# KiCad board controller_rev5.0_flat.kicad_pcb (continued)
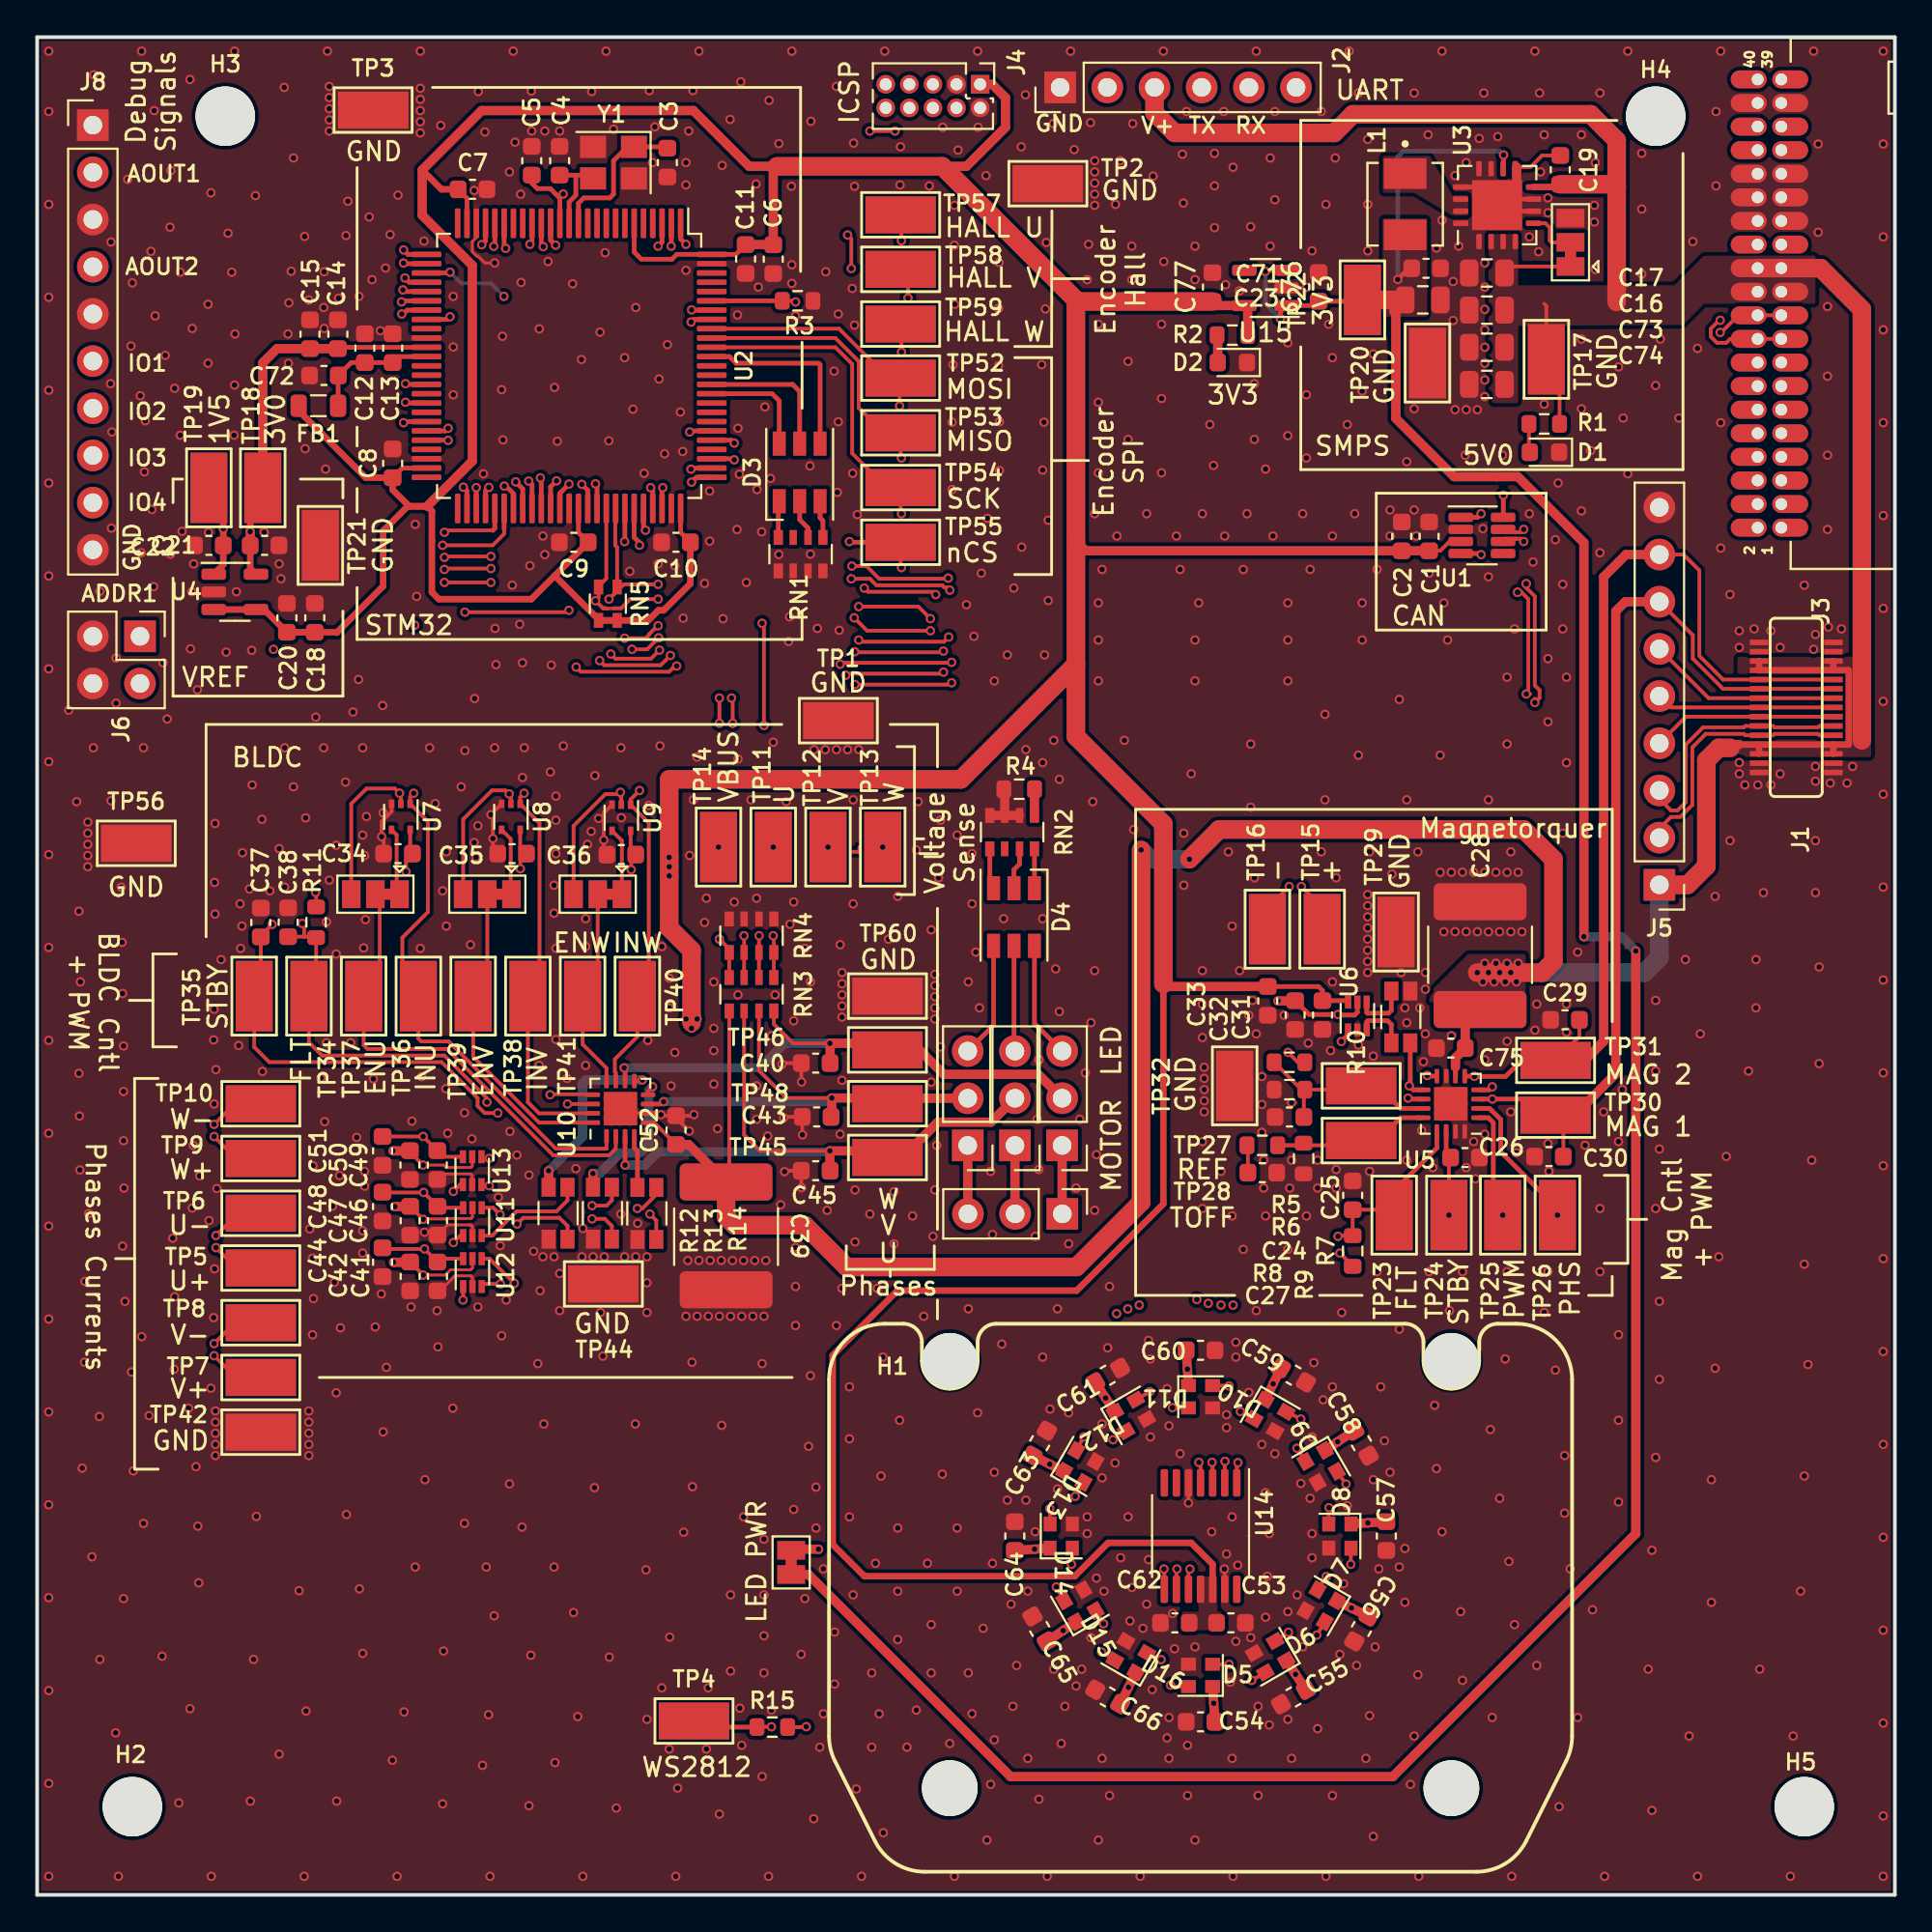
[diagram p0: board, top side]
## Footprints (pads in the part's own frame, mm; a bottom-side part is the same pattern mirrored in y, then rotated) (continued)
SOT-23-8
  rrect 1.325x0.5 smd: 1(-1.137,0.975) 2(-1.137,0.325) 3(-1.137,-0.325) 4(-1.137,-0.975) 5(1.137,-0.975) 6(1.137,-0.325) 7(1.137,0.325) 8(1.137,0.975)
SOT-553
  rect 0.45x0.3 smd: 1(-0.7,0.5) 2(-0.7,0) 3(-0.7,-0.5) 4(0.7,-0.5) 5(0.7,0.5)
SOT-563
  rect 0.7x0.34 smd: 1(-0.75,0.5) 2(-0.75,0) 3(-0.75,-0.5) 4(0.75,-0.5) 5(0.75,0) 6(0.75,0.5)
TestPoint_Keystone_5019_Minature-3DMODEL
  rect 3.8x2 smd: 1(0,0)
TSOT-23-5
  rrect 1.325x0.6 smd: 1(-1.137,0.95) 2(-1.137,0) 3(-1.137,-0.95) 4(1.137,-0.95) 5(1.137,0.95)
TSSOP-14_4.4x5mm_P0.65mm
  rrect 1.475x0.4 smd: 1(-2.862,1.95) 2(-2.862,1.3) 3(-2.862,0.65) 4(-2.862,0) 5(-2.862,-0.65) 6(-2.862,-1.3) 7(-2.862,-1.95) 8(2.862,-1.95) 9(2.862,-1.3) 10(2.862,-0.65) 11(2.862,0) 12(2.862,0.65) 13(2.862,1.3) 14(2.862,1.95)
VQFN-16-1EP_3x3mm_P0.5mm_EP1.8x1.8mm
  rrect 0.73x0.73 smd: (-0.45,0.45) (-0.45,-0.45) (0.45,0.45) (0.45,-0.45)
  rrect 0.775x0.25 smd: 1(-1.488,0.75) 2(-1.488,0.25) 3(-1.488,-0.25) 4(-1.488,-0.75) 9(1.488,-0.75) 10(1.488,-0.25) 11(1.488,0.25) 12(1.488,0.75)
  rrect 0.25x0.775 smd: 5(-0.75,-1.488) 6(-0.25,-1.488) 7(0.25,-1.488) 8(0.75,-1.488) 13(0.75,1.488) 14(0.25,1.488) 15(-0.25,1.488) 16(-0.75,1.488)
  rect 1.8x1.8 smd: 17(0,0)
WSK1206
  rect 1.016x0.762 smd: 1(-1.397,0.508) 2(-1.397,-0.508) 3(1.397,-0.508) 4(1.397,0.508)

## Nets
+1V5: C22.1 C32.1 C42.1 C47.1 C50.1 NT2.1 NT3.1 NT4.1 NT5.1 TP19.1 U4.1 U6.5 U11.5 U12.5 U13.5
+3V0: C14.1 C15.1 C21.1 TP18.1 U2.36 U4.5
+3V3: C1.1 C2.1 C6.1 C7.1 C8.1 C9.1 C10.1 C11.1 C18.1 C20.1 C31.1 C33.1 C34.1 C35.1 C36.1 C41.1 C44.1 C46.1 C48.1 C49.1 C51.1 C53.1 C62.1 C77.1 FB1.1 J4.1 R2.1 RN5.3 RN5.4 U1.3 U2.6 U2.24 U2.49 U2.64 U2.75 U2.100 U4.3 U4.4 U6.6 U7.5 U8.5 U9.5 U11.6 U12.6 U13.6 U14.11 U14.12 U15.5
+5V: C23.1 C71.1 C76.1 JP8.1 L1.2 TP22.1 U3.10 U15.1 U15.3
GND: C1.2 C2.2 C3.2 C4.2 C5.2 C6.2 C7.2 C8.2 C9.2 C10.2 C11.2 C12.2 C13.2 C14.2 C15.2 C16.2 C17.2 C18.2 C20.2 C21.2 C22.2 C23.2 C24.2 C25.2 C26.2 C27.2 C28.2 C29.2 C30.2 C31.2 C32.2 C33.2 C34.2 C35.2 C36.2 C37.2 C38.2 C39.2 C40.2 C41.2 C42.2 C43.2 C44.2 C45.2 C46.2 C47.2 C48.2 C49.2 C50.2 C51.2 C52.2 C53.2 C54.2 C55.2 C56.2 C57.2 C58.2 C59.2 C60.2 C61.2 C62.2 C63.2 C64.2 C65.2 C66.2 C71.2 C72.2 C73.2 C74.2 C75.2 C76.2 C77.2 D1.1 D2.1 D5.3 D6.3 D7.3 D8.3 D9.3 D10.3 D11.3 D12.3 D13.3 D14.3 D15.3 D16.3 J1.P$1 J1.P$2 J1.P$14 J1.P$15 J1.P$16 J1.P$17 J1.P$29 J1.P$30 J2.1 J3.27 J3.28 J3.29 J3.30 J3.31 J3.32 J3.37 J3.38 J4.2 J4.3 J5.9 J6.3 J6.4 J8.1 J8.3 J8.5 J8.10 JP4.3 NT1.1 R3.2 R4.2 R6.1 R9.2 R10.1 R12.1 R13.1 R14.1 RN1.1 RN1.2 RN1.3 RN1.4 RN2.2 RN2.3 RN2.4 RN4.1 RN4.2 RN4.3 RN4.4 TP1.1 TP2.1 TP3.1 TP20.1 TP21.1 TP29.1 TP32.1 TP42.1 TP44.1 TP56.1 TP60.1 U1.2 U2.23 U2.35 U2.48 U2.63 U2.74 U2.99 U3.1 U3.6 U3.7 U3.11 U3.12 U3.13 U3.16 U3.17 U4.2 U5.7 U5.15 U5.16 U5.17 U6.2 U7.3 U8.3 U9.3 U10.6 U10.17 U11.2 U12.2 U13.2 U14.5 U14.13 U15.2 Y1.2 Y1.4
VBUS: C16.1 C17.1 C19.1 C28.1 C39.1 C52.1 C73.1 C74.1 C75.1 J1.P$3 J1.P$4 J1.P$12 J1.P$13 J1.P$18 J1.P$19 J1.P$27 J1.P$28 J2.3 J3.21 J3.22 J3.23 J3.24 J3.25 J3.26 J5.1 JP4.1 R1.1 RN3.5 TP17.1 U3.2 U3.3 U3.4 U3.8 U5.6 U10.5
/ADDR1: J6.1 U2.55
/ADDR2: J6.2 U2.56
/BLDC_EN: R11.1 U2.59
/BLDC_FAULT: C37.1 R11.2 TP34.1 U2.58 U10.13
/BLDC_INHU: TP36.1 U2.69 U7.1 U10.1
/BLDC_INHV: TP38.1 U2.70 U8.1 U10.15
/BLDC_INHW: TP40.1 U2.71 U9.1 U10.11
/BLDC_INLU: JP5.3 U2.52 U7.2
/BLDC_INLV: JP6.3 U2.53 U8.2
/BLDC_INLW: JP7.3 U2.54 U9.2
/BLDC_STBY: C38.1 TP35.1 U2.57 U10.14
/BOOT: J1.P$9 J1.P$22 J5.6 R3.1 U2.95
/CAN+: J1.P$6 J1.P$25 J3.17 J3.18 J5.3 U1.7
/CAN-: J1.P$5 J1.P$26 J3.19 J3.20 J5.2 U1.6
/CAN_RX: U1.4 U2.72
/CAN_SILENT: U1.8 U2.80
/CAN_TX: U1.1 U2.73
/DEBUG_SWCLK: J4.9 U2.77
/DEBUG_SWDIO: J4.10 U2.76
/DEBUG_SWO/TDO: J4.8
/DEBUG_TDI: J4.7
/GPIO1: J8.6 U2.29
/GPIO2: J8.7 U2.30
/GPIO3: J8.8 U2.31
/GPIO4: J8.9 U2.32
/HALL_U: TP57.1 U2.1 U14.10
/HALL_V: TP58.1 U2.2 U14.9
/HALL_W: TP59.1 U2.3 U14.8
/I2C_SCL: J1.P$7 J1.P$24 J5.4 RN5.2 U2.67
/I2C_SDA: J1.P$8 J1.P$23 J5.5 RN5.1 U2.68
/ISENSE_MAG_N: NT2.2 TP16.1 U2.46
/ISENSE_MAG_P: TP15.1 U2.45 U6.1
/ISENSE_U_N: NT3.2 TP6.1 U2.21
/ISENSE_U_P: TP5.1 U2.20 U11.1
/ISENSE_V_N: NT4.2 TP8.1 U2.16
/ISENSE_V_P: TP7.1 U2.15 U12.1
/ISENSE_W_N: NT5.2 TP10.1 U2.40
/ISENSE_W_P: TP9.1 U2.33 U13.1
/LED_B: D3.4 U2.89
/LED_DATA: R15.1 TP4.1 U2.81
/LED_G: D3.5 U2.86
/LED_R: D3.6 U2.85
/MAG_1: C30.1 J1.P$10 J1.P$21 J5.7 TP30.1 U5.3 U5.10
/MAG_2: C29.1 J1.P$11 J1.P$20 J5.8 TP31.1 U5.5 U5.8
/MAG_EN: R7.1 U2.62
/MAG_FAULT: C25.1 R7.2 TP23.1 U2.61 U5.13
/MAG_PHASE: TP26.1 U2.66 U5.2
/MAG_PWM: TP25.1 U2.65 U5.1
/MAG_STBY: C26.1 TP24.1 U2.60 U5.14
/MAG_VREF: R5.2 U2.28
/NRST: C5.1 J4.6 U2.14
/OSCOPE_1: J8.2 U2.26
/OSCOPE_2: J8.4 U2.27
/Reaction Wheel/BLDC_U: C45.1 JP2.2 RN3.6 TP45.1 U10.3
/Reaction Wheel/BLDC_V: C43.1 JP3.2 RN3.7 TP48.1 U10.7
/Reaction Wheel/BLDC_W: C40.1 JP1.2 RN3.8 TP46.1 U10.10
/SPI_MISO: TP53.1 U2.91 U14.3
/SPI_MOSI: TP52.1 U2.92 U14.4
/SPI_nCS: TP55.1 U2.78 U14.1
/SPI_SCK: TP54.1 U2.90 U14.2
/UART_RX: J2.5 U2.94
/UART_TX: J2.4 U2.93
/VSENSE_U: RN3.3 RN4.6 TP11.1 U2.22
/VSENSE_V: RN3.2 RN4.7 TP12.1 U2.17
/VSENSE_VBUS: RN3.4 RN4.5 TP14.1 U2.42
/VSENSE_W: RN3.1 RN4.8 TP13.1 U2.44
Net-(C3-Pad1): C3.1 U2.12 Y1.1
Net-(C4-Pad1): C4.1 U2.13 Y1.3
Net-(C12-Pad1): C12.1 C13.1 C72.1 FB1.2 U2.37
Net-(C19-Pad2): C19.2 NT1.2 U3.9
Net-(C24-Pad1): C24.1 R5.1 R6.2 TP27.1 U5.11
Net-(C27-Pad1): C27.1 R8.2
Net-(C54-Pad1): C54.1 C55.1 C56.1 C57.1 C58.1 C59.1 C60.1 C61.1 C63.1 C64.1 C65.1 C66.1 D5.1 D6.1 D7.1 D8.1 D9.1 D10.1 D11.1 D12.1 D13.1 D14.1 D15.1 D16.1 JP8.2
Net-(D1-Pad2): D1.2 R1.2
Net-(D2-Pad2): D2.2 R2.2
Net-(D3-Pad1): D3.1 RN1.8
Net-(D3-Pad2): D3.2 RN1.6
Net-(D3-Pad3): D3.3 RN1.5
Net-(D4-Pad1): D4.1 RN2.8
Net-(D4-Pad2): D4.2 RN2.7
Net-(D4-Pad3): D4.3 RN2.5
Net-(D4-Pad4): D4.4 JP3.3
Net-(D4-Pad5): D4.5 JP2.3
Net-(D4-Pad6): D4.6 JP1.3
Net-(D5-Pad2): D5.2 D6.4
Net-(D5-Pad4): D5.4 R15.2
Net-(D6-Pad2): D6.2 D7.4
Net-(D7-Pad2): D7.2 D8.4
Net-(D8-Pad2): D8.2 D9.4
Net-(D10-Pad2): D10.2 D11.4
Net-(D10-Pad4): D9.2 D10.4
Net-(D11-Pad2): D11.2 D12.4
Net-(D12-Pad2): D12.2 D13.4
Net-(D13-Pad2): D13.2 D14.4
Net-(D14-Pad2): D14.2 D15.4
Net-(D15-Pad2): D15.2 D16.4
Net-(D16-Pad2): D16.2
Net-(J7-Pad1): J7.1 JP1.1
Net-(J7-Pad2): J7.2 JP2.1
Net-(J7-Pad3): J7.3 JP3.1
Net-(JP4-Pad2): JP4.2 U3.5
Net-(JP5-Pad1): JP5.1 U7.4
Net-(JP5-Pad2): JP5.2 TP37.1 U10.2
Net-(JP6-Pad1): JP6.1 U8.4
Net-(JP6-Pad2): JP6.2 TP39.1 U10.16
Net-(JP7-Pad1): JP7.1 U9.4
Net-(JP7-Pad2): JP7.2 TP41.1 U10.12
Net-(L1-Pad1): L1.1 U3.14 U3.15
Net-(R4-Pad1): R4.1 RN2.1
Net-(R8-Pad1): R8.1 R9.1 TP28.1 U5.12
Net-(R10-Pad2): R10.2 U6.4
Net-(R10-Pad3): R10.3 U6.3
Net-(R10-Pad4): R10.4 U5.4 U5.9
Net-(R12-Pad2): R12.2 U11.4
Net-(R12-Pad3): R12.3 U11.3
Net-(R12-Pad4): R12.4 U10.9
Net-(R13-Pad2): R13.2 U12.4
Net-(R13-Pad3): R13.3 U12.3
Net-(R13-Pad4): R13.4 U10.8
Net-(R14-Pad2): R14.2 U13.4
Net-(R14-Pad3): R14.3 U13.3
Net-(R14-Pad4): R14.4 U10.4

Pads without a net: J2 2 6; J3 1 2 3 4 5 6 7 8 9 10 11 12 13 14 15 16 33 34 35 36 39 40; J4 4 5; RN1 7; RN2 6; U1 5; U2 4 5 7 8 9 10 11 18 19 25 34 38 39 41 43 47 50 51 79 82 83 84 87 88 96 97 98; U14 6 7 14; U15 4

## Via types
v1: diameter 0.5, hole 0.3, Top to Bottom, 1552 vias

## Routing (per net, layer and track width the routed paths; a pad name or vN(x,y) marks a point on that pad's centre or on a via; arc(x,y) is an arc through that point)
+1V5: length 183
  Top w0.152: v1(20.78,33.36) 21.97,33.36 22.25,33.65 23.34,33.65 23.43,33.74 U12.5 ; U11.5 23.43,36.48 23.36,36.41 22.02,36.41 22,36.38 20.8,36.38 v1(20.78,36.36) ; v1(20.78,39.29) 21.89,39.29 22.02,39.15 23.34,39.15 23.42,39.23 U13.5
  Top w0.2: v1(20.78,39.29) 20.77,39.29 20.01,40.05 ; C47.1 v1(20.78,36.36) ; C42.1 v1(20.78,33.36)
  Top w0.25: U6.5 71.07,47.51 70.92,47.36 70.06,47.36 v1(70.03,47.39) 68.46,47.39 C32.1
  Top w0.35: TP19.1 10.02,74.97 v1(10.02,73.54) C22.1 10.02,71.6 U4.1
  In1.Cu w0.2: v1(20.33,68.35) 19.03,67.05 v1(12.73,67.05)
  In2.Cu w0.2: v1(20.33,68.35) 23.08,65.59 37.78,65.59 38.73,64.65 66.53,64.65 68.43,62.75 68.43,55.05 69.03,54.45 69.03,47.95 69.58,47.39 v1(70.03,47.39)
  In2.Cu w0.35: v1(20.78,36.36) 22.11,36.36 24.03,34.45 ; 24.03,34.45 24.33,34.15 24.33,31.15 23.73,30.55 19.43,30.55 16.93,28.05 8.73,28.05 5.43,31.35 5.43,59.75 v1(12.73,67.05) 12.73,69.85 10.02,72.55 v1(10.02,73.54) ; 24.03,34.45 21.86,34.45 v1(20.78,33.36) ; v1(20.78,39.29) 21.99,39.29 24.03,37.25 24.03,34.55
+3V0: length 22.5
  Top w0.25: C15.1 14.76,83.31 U2.36
  Top w0.35: U4.5 11.47,71.4 C21.1 ; v1(11.47,73.38) 11.47,75.07 TP18.1
  Top w0.5: TP18.1 12.14,82.47 12.91,83.23 C15.1 C14.1 ; C21.1 v1(11.47,73.38)
+3V3: length 401.8
  Top w0.2: C51.1 v1(20.78,40.82) C49.1 21.87,39.73 U13.6 ; v1(26.01,55.24) 26.01,55.72 C35.1 ; C48.1 18.61,37.81 v1(20.81,37.81) C46.1 21.63,36.99 U11.6 ; U12.6 21.73,34.24 C41.1 v1(20.85,34.77) 18.65,34.77 C44.1 ; C2.1 75.53,72.35 76.03,72.85 U1.3 ; v1(31.98,55.19) 31.98,55.76 C36.1 31.95,56.27 U9.5 ; C35.1 26.43,56.05 ; C35.1 26,56.39 U8.5 ; v1(19.86,55.08) 19.86,55.7 C34.1 20.08,56.17 U7.5
  Top w0.25: U2.24 23.14,91.33 C7.1 ; U6.6 70.49,48.13 C31.1 69.19,48.68 68.97,48.9 C33.1 ; U2.64 29.14,73.33 C9.1 ; C8.1 19.66,76.81 U2.49 ; U2.75 34.64,73.33 C10.1 ; U2.6 32.14,88.43 32.53,88.05 34.17,88.05 34.43,88.31 U2.100 37.61,88.31 C11.1
  Top w0.35: 60.63,49.03 60.63,37.19 55.96,32.52 46.3,32.52 42.82,29.04 42.82,18.86 44.53,17.15 55.85,17.15 57.65,18.95 62.13,18.95 63.28,17.8 U14.12 ; C9.1 27.86,71.01 ; 27.86,71.01 26.6,69.75 21.63,69.75 21.25,70.12 21.25,72.89 21.25,72.89 21.25,74.49 20.99,74.75 ; 27.86,71.01 30.27,68.6 RN5.4 ; RN5.4 32.9,68.6 33.44,69.15 33.73,69.15 35.16,70.58 C10.1 ; RN5.4 RN5.3 ; C7.1 21.76,91.81 20.73,92.85 ; 20.99,74.75 19.95,74.75 18.63,73.42 18.63,70.45 16.13,67.95 16.11,67.97 C20.1 ; 20.99,74.75 20.03,74.75 19.14,75.63 C8.1 17.69,76.28 14.08,79.9 FB1.1 ; C20.1 12.22,69.19 U4.4 U4.3 ; C20.1 C18.1
  Top w0.5: J4.1 51.41,97.46 52.13,96.75 52.13,95.15 50.03,93.05 48.73,93.05 ; C1.1 56.43,72.35 55.92,72.87 ; 20.99,74.75 23.43,77.18 23.43,87.72 20.73,90.42 20.73,92.85 23.93,96.05 35.33,96.05 38.33,93.05 39.83,93.05 39.62,92.85 C6.1 39.61,88.83 C11.1 ; R2.1 65.16,85.37 U15.5 63.49,85.55 C77.1 ; 60.63,49.03 60.76,48.9 C33.1
  Top w1: 55.92,66.24 55.92,85.86 ; 55.92,66.24 49.73,60.05 34.03,60.05 v1(34.03,55.85) v1(34.03,55.35) v1(34.03,54.85) 34.03,52.05 35.23,50.85 35.23,46.95 ; 55.92,66.24 55.92,62.36 60.63,57.65 60.63,49.03 ; 55.92,85.86 48.73,93.05 39.83,93.05 ; 55.92,85.86 56,85.77 C77.1
  In1.Cu w0.35: 35.13,47.15 35.23,47.05 v1(35.23,46.65) ; 35.13,47.15 v1(35.53,47.15) 35.53,46.95 v1(35.23,46.65) ; 35.13,47.15 v1(34.93,47.15) 34.93,46.95 v1(35.23,46.65) ; v1(35.23,46.65) 34.43,46.65 33.13,45.35 25.23,45.35 20.78,40.9 v1(20.78,40.82) 20.2,40.25 20.2,38.41 v1(20.81,37.81) 20.2,37.21 20.2,35.41 v1(20.85,34.77)
  In1.Cu w0.5: 32.49,55.19 33.36,55.19 v1(34.03,55.85) v1(34.03,54.85) 33.69,55.19 32.69,55.19 ; 32.49,55.19 32.69,55.19 ; 32.49,55.19 v1(31.98,55.19) 31.93,55.24 v1(26.01,55.24) 25.86,55.08 v1(19.86,55.08) ; 32.69,55.19 33.86,55.19 v1(34.03,55.35)
+5V: length 157.7
  Top w0.2: 73.21,88.92 L1.2
  Top w0.25: v1(73.24,86.96) 73.84,87.56 C71.1 ; v1(78.94,93.66) 78.94,92.94 U3.10 ; v1(66.93,84.85) 66.93,85.22 U15.1 68.75,85.55 C76.1 71.27,85.78 TP22.1 ; v1(66.12,87.39) 66.18,87.45 U15.3
  Top w0.5: JP8.1 41.52,17.24 52.4,6.36 72.97,6.36 86.06,19.44 v1(86.06,50.81) ; 73.03,85.24 C23.1 73.14,85.36 73.14,79.48 76.28,76.34 79.71,76.34 83.26,72.78 v1(83.26,51.57)
  Top w1: C23.1 TP22.1
  Bottom w0.25: v1(66.93,84.85) 66.12,85.66 v1(66.12,87.39) ; v1(73.24,86.96) 73.24,93.56 73.54,93.86 78.74,93.86 v1(78.94,93.66)
  Bottom w0.5: v1(86.06,50.81) 85.29,51.57 v1(83.26,51.57)
GND: length 45.5
  Top w0.152: v1(24.63,87.85) 24.1,87.85 23.72,88.22 23.65,88.22 23.43,88.45 23.43,89 23.64,89.21 U2.23 ; 23.36,36.06 23.36,36.07 22.1,36.07 C46.2 ; 23.36,36.06 23.43,35.99 U11.2 ; 23.36,36.06 23.23,36.06 ; C49.2 21.84,38.81 23.34,38.81 23.42,38.73 U13.2 ; U12.2 23.43,33.25 23.36,33.32 22.5,33.32 21.69,32.52 C41.2
  Top w0.2: v1(63.91,17.54) 63.93,17.52 U14.13 ; v1(33.58,41.99) 33.5,42.07 U10.6 ; C35.2 24.53,56.31 v1(24.53,56.86) 24.53,58.26 U8.3 ; 32.05,41.68 31.41,42.32 U10.17 ; v1(41.2,40.91) 41.19,40.92 C43.2 40.23,41.88 v1(40.18,41.83) ; U10.6 33.59,42.07 33.72,41.94 C52.2 ; U10.6 31.65,42.07 U10.17 ; 30.72,42.84 31.24,42.32 U10.17 ; U7.3 19.08,58.31 18.54,57.78 v1(18.54,56.96) 18.65,56.85 C34.2 ; U9.3 30.5,58.23 v1(30.5,56.78) 30.5,56.17 C36.2 ; v1(35.1,41.11) 34.39,41.83 C52.2 ; C52.2 35.3,41.94 v1(35.36,42) ; v1(41.15,43.76) 41.14,43.77 C40.2 40.16,44.77 v1(40.09,44.71) ; v1(61.98,21.09) 61.98,21.1 U14.5 ; v1(41.15,38.07) 41.14,38.08 C45.2 40.28,38.98 v1(40.23,38.93)
  Top w0.25: U3.7 78.92,91.28 U3.17 ; U3.13 77.62,91.93 U3.17 ; U3.17 78.92,90.63 U3.6
  Top w0.5: RN2.3 52.08,59.47 R4.2 ; RN2.2 RN2.4
  vias: v1(0.63,99.25) v1(0.63,96) v1(0.63,91) v1(0.63,86) v1(0.63,81) v1(0.63,76) v1(0.63,71) v1(0.63,66) v1(0.63,61) v1(0.63,56) v1(0.63,51) v1(0.63,46) v1(0.63,41) v1(0.63,36) v1(0.63,31) v1(0.63,26) v1(0.63,21) v1(0.63,16) v1(0.63,11) v1(0.63,6) v1(0.63,1) v1(1.7,63.77) v1(2.13,58.85) v1(2.25,52.95) v1(2.25,44.22) v1(2.33,49.15) v1(2.33,47.02) v1(2.28,41.92) v1(2.3,39.02) v1(2.43,22.97) v1(2.55,28.67) v1(2.58,33.02) v1(2.73,57.75) v1(2.73,57.15) v1(2.73,56.55) v1(2.73,55.95) v1(2.73,55.35) v1(2.78,36.67) v1(2.95,18.2) v1(3.05,97.97) v1(3.03,61.75) v1(3.38,70.17) v1(3.35,25.75) v1(3.38,12.67) v1(3.98,88.97) v1(3.95,81.35) v1(3.98,58.9) v1(4.03,78.75) v1(4,73.57) v1(4.25,66.57) v1(4.25,64.15) v1(4.23,8.72) v1(4.38,1) v1(4.53,54.25) v1(4.58,51.27) v1(4.6,48.52) v1(4.65,45.7) v1(4.65,43.25) v1(4.65,40.6) v1(4.68,38.05) v1(4.6,34.92) v1(4.65,15.95) v1(4.73,31.95) v1(4.88,92.35) v1(5.05,83.37) v1(5.13,86.77) v1(5.08,28.15) v1(5.18,22.82) v1(5.55,80.7) v1(5.63,99.25) v1(5.6,72.25) v1(5.63,30.05) v1(5.73,61.75) v1(5.73,20) v1(5.83,79.35) v1(5.78,76.6) v1(6.03,25.8) v1(6.13,88.47) v1(6.18,74.57) v1(6.3,96.05) v1(6.35,85) v1(6.28,70.42) v1(6.73,12.85) v1(6.78,66.32) v1(6.9,82.87) v1(7,63.3) v1(7.15,89.77) v1(7.18,72.17) v1(7.2,92.82) v1(7.3,35.35) v1(7.38,28.3) v1(7.4,81.1) v1(7.4,32.2) v1(7.63,4.95) v1(7.7,87.35) v1(7.7,78.57) v1(7.8,73.4) v1(8.15,26.2) v1(8.23,97.72) v1(8.25,67.07) v1(8.23,10.02) v1(8.35,84.32) v1(8.33,70.15) v1(8.35,36.97) v1(8.43,71.65) v1(8.4,40.35) v1(8.55,23.05) v1(8.63,64.87) v1(8.65,19.85) v1(8.75,38.7) v1(8.7,16.8) v1(9.2,85.62) v1(9.2,82.45) v1(9.23,73.35) v1(9.25,36.3) v1(9.35,91.62) v1(9.35,27.27) v1(9.38,1) v1(9.55,54.5) v1(9.53,47.67) v1(9.5,46.02) v1(9.53,42.57) v1(9.55,33.7) v1(9.5,31.07) v1(9.58,57.67) v1(9.58,52.8) v1(9.63,44.42) v1(9.68,38.02) v1(9.6,26.05) v1(9.6,25.45) v1(9.6,24.85) v1(9.6,24.25) v1(9.6,23.65) v1(9.9,50.35) v1(10.18,66.9) v1(10.28,89.45) v1(10.48,87.35) v1(10.63,99.25) v1(10.65,84.02) v1(10.63,81.27) v1(10.6,78.57) v1(10.73,70.15) v1(10.85,45.72) v1(10.93,53.35) v1(10.95,50.95) v1(11.05,56.1) v1(11.03,52.15) v1(11.43,54.15) v1(11.48,5.05) v1(11.55,67) v1(11.58,59.75) v1(11.65,12.67) v1(11.75,91.47) v1(11.8,20.37) v1(12.1,57.9) v1(12.13,44.32) v1(12.23,73.35) v1(12.53,54.05) v1(13.03,71.65) v1(13.03,56.32) v1(13.03,7.57) v1(13.13,70.85) v1(13.3,97.3) v1(13.33,61.75) v1(13.33,54.25) v1(13.55,85.7) v1(13.5,84.02) v1(13.53,82.45) v1(13.68,87.4) v1(13.8,93.5) v1(13.8,59.65) v1(14.1,16.37) v1(14.38,1) v1(14.4,89.27) v1(14.43,77.85) v1(14.45,57.97) v1(14.48,9.9) v1(14.63,85.85) v1(14.63,26.05) v1(14.63,25.45) v1(14.63,24.85) v1(14.63,24.25) v1(14.63,23.65) v1(14.68,35.85) v1(14.85,39.25) v1(14.83,34.27) v1(14.83,30.15) v1(14.88,32.1) v1(15,63.4) v1(15.28,43.97) v1(15.45,87.37) v1(15.43,85.45) v1(15.45,84.32) v1(15.43,61.75) v1(15.48,41.62) v1(15.53,76.75) v1(15.58,52.37) v1(15.58,45.87) v1(15.63,99.25) v1(15.73,97.35) v1(15.73,96.75) v1(15.73,96.15) v1(15.73,95.55) v1(15.73,94.95) v1(15.73,54.62) v1(15.9,37.07) v1(16,32.97) v1(16.1,56.5) v1(16.1,50.65) v1(16.1,27.02) v1(16.13,5.05) v1(16.23,85.95) v1(16.28,38.72) v1(16.33,30.52) v1(16.63,89.32) v1(16.6,59.9) v1(16.65,20.47) v1(16.73,91.17) v1(16.88,45.87) v1(17,63.67) v1(17.2,40.77) v1(17.33,86.05) v1(17.3,65.42) v1(17.35,16.47) v1(17.53,61.75) v1(17.53,57.05) v1(17.58,50.97) v1(17.53,35.75) v1(17.53,34.55) v1(17.53,13) v1(17.63,55.95) v1(17.63,38.95) v1(17.63,38.15) v1(17.73,58.05) v1(17.68,52.5) v1(17.88,90.32) v1(18.03,86.95) v1(18.1,43.92) v1(18.2,30.57) v1(18.48,84.2) v1(18.53,32.35) v1(18.6,64.02) v1(18.63,58.25) v1(18.63,24.92) v1(18.75,87.57) v1(18.8,28.4) v1(19,89.37) v1(19.13,7.25) v1(19.38,1) v1(19.43,91.5) v1(19.75,9.85) v1(20.13,31.65) v1(20.18,41.65) v1(20.35,73.77) v1(20.35,17.65) v1(20.43,69.9) v1(20.63,99.25) v1(20.63,97.25) v1(20.63,96.65) v1(20.63,96.05) v1(20.63,95.45) v1(20.63,94.85) v1(20.63,50.95) v1(20.7,44.05) v1(20.83,89.02) v1(20.85,35.67) v1(20.88,22.35) v1(21.13,61.75) v1(21.43,58.75) v1(21.53,31.45) v1(21.58,29.5) v1(21.73,95.25) v1(21.83,54.05) v1(21.83,4.9) v1(21.88,13.12) v1(22.03,56.15) v1(22.03,52.15) v1(22,43.4) v1(22.1,41) v1(22.38,26.2) v1(22.4,86.05) v1(22.4,83.32) v1(22.4,80.75) v1(22.83,59.65) v1(23.03,61.6) v1(23,42.1) v1(23,20) v1(23.33,51.15) v1(23.4,40.7) v1(23.53,91.75) v1(23.55,64.4) v1(23.53,56.65) v1(23.63,55.85) v1(23.75,97.07) v1(23.73,57.55) v1(23.73,31.65) v1(23.98,6.97) v1(24.03,76.5) v1(24.1,94.9) v1(24.18,17.65) v1(24.3,9.7) v1(24.38,1) v1(24.43,58.15) v1(24.65,68.17) v1(24.63,61.75) v1(24.6,15.02) v1(24.7,66.22) v1(24.83,37.55) v1(24.93,34.95) v1(25.05,83.9) v1(25,81.02) v1(25.08,78.32) v1(25,30.1) v1(25.25,32.02) v1(25.43,92.75) v1(25.45,41.1) v1(25.43,22.12) v1(25.58,70.5) v1(25.63,99.25) v1(25.73,94.35) v1(25.83,39.82) v1(25.98,68.4) v1(26.03,91.55) v1(26.05,86.8) v1(26.13,66.32) v1(26.13,60.15) v1(26.1,19.8) v1(26.23,61.75) v1(26.48,38.75) v1(26.48,4.8) v1(26.53,71.55) v1(26.58,12.9) v1(26.6,97.1) v1(26.63,94.95) v1(26.73,34.65) v1(26.95,28.6) v1(27.03,84.3) v1(27.03,44.65) v1(27.08,32.52) v1(27.23,73.15) v1(27.23,34.35) v1(27.33,94.95) v1(27.33,72.15) v1(27.28,25.35) v1(27.5,87.92) v1(27.63,60.45) v1(27.68,66.2) v1(27.85,81.15) v1(27.83,54.35) v1(27.83,52.85) v1(27.83,34.35) v1(27.83,17.65) v1(27.93,59.15) v1(27.93,57.85) v1(27.93,56.05) v1(27.93,50.95) v1(27.93,46.05) v1(27.88,7.12) v1(28,78.25) v1(28.13,94.95) v1(28.13,33.45) v1(28.13,31.45) v1(28.33,61.85) v1(28.53,43.95) v1(28.83,86.72) v1(28.88,15.2) v1(29,39.1) v1(29.1,9.6) v1(29.3,82.65) v1(29.38,35.87) v1(29.33,34.35) v1(29.38,1) v1(29.53,52.55) v1(29.53,51.05) v1(29.53,44.65) v1(29.63,56.55) v1(29.85,97.07) v1(29.83,57.25) v1(29.93,34.35) v1(30.03,60.25) v1(30,21.92) v1(30.23,57.95) v1(30.3,84.12) v1(30.33,31.35) v1(30.45,29) v1(30.58,88.4) v1(30.53,34.35) v1(30.63,99.25) v1(30.78,78.27) v1(30.8,12.8) v1(31.03,95.05) v1(31.18,4.67) v1(31.43,61.75) v1(31.45,57.98) v1(31.43,36.65) v1(31.63,82.75) v1(31.63,34.35) v1(31.9,71.25) v1(32.08,79.97) v1(32.23,85.45) v1(32.23,34.35) v1(32.2,25.35) v1(32.33,36.15) v1(32.68,76.52) v1(32.83,34.35) v1(32.83,32.95) v1(32.83,31.35) v1(32.78,17.5) v1(32.83,9.45) v1(32.95,97.12) v1(32.93,58.65) v1(32.88,46) v1(33.13,93.25) v1(33.25,95.17) v1(33.48,81.6) v1(33.43,71.65) v1(33.53,61.85) v1(33.63,51.05) v1(33.63,11.15) v1(33.78,77.57) v1(33.93,83.45) v1(34.03,49.35) v1(34.03,47.75) v1(34.05,13.87) v1(34.03,7.85) v1(34.13,43.55) v1(34.33,71.55) v1(34.33,45.35) v1(34.38,1) v1(34.48,5.75) v1(34.63,79.82) v1(34.75,77.7) v1(34.78,68.72) v1(34.8,19.52) v1(34.93,93.25) v1(34.93,92.05) v1(34.93,87.45) v1(34.93,31.14) v1(35.08,94.95) v1(35.03,34.15) v1(35.13,55.95) v1(35.25,28.67) v1(35.3,97.12) v1(35.33,58.95) v1(35.28,21.97) v1(35.53,61.25) v1(35.53,31.15) v1(35.63,99.25) v1(35.63,34.15) v1(35.93,70.6) v1(35.93,52.35) v1(36.03,53.65) v1(36.03,7.85) v1(36.13,31.15) v1(36.13,11.15) v1(36.2,75.57) v1(36.2,72.87) v1(36.23,34.15) v1(36.43,49.15) v1(36.43,46.65) v1(36.43,45.45) v1(36.43,43.65) v1(36.63,41.25) v1(36.73,31.15) v1(36.73,4.35) v1(36.83,34.15) v1(36.85,25.27) v1(36.88,93.1) v1(36.93,68.7) v1(37.3,95.57) v1(37.33,31.14) v1(37.33,16.15) v1(37.33,12.05) v1(37.43,34.14) v1(37.53,53.45) v1(37.7,85.05) v1(37.73,78.95) v1(37.68,73.5) v1(37.73,61.15) v1(37.73,48.45) v1(37.8,76.47) v1(37.83,10.05) v1(37.88,97.6) v1(37.93,31.14) v1(37.93,8.05) v1(38.03,34.15) v1(38.03,20.35) v1(38.18,70.65) v1(38.43,58.95) v1(38.53,31.14) v1(38.63,34.15) v1(38.7,92.1) v1(38.75,75.65) v1(38.73,53.65) v1(38.73,43.55) v1(38.73,41.75) v1(38.83,86.55) v1(39,73.37) v1(39.03,28.6) v1(39.03,6.37) v1(39.13,31.14) v1(39.13,19.15) v1(39.13,16.15) v1(39.13,13.95) v1(39.13,11.95) v1(39.18,80.1) v1(39.23,34.15) v1(39.33,40.85) v1(39.38,1) v1(39.4,96.6) v1(39.48,76.25) v1(39.53,46.25) v1(39.53,9.95) v1(39.63,62.05) v1(39.73,48.45) v1(39.93,94.27) v1(39.93,72.15) v1(40.03,37.15) v1(40.33,58.85) v1(40.45,67.47) v1(40.5,68.8) v1(40.53,52.25) v1(40.63,99.25) v1(40.6,91.97) v1(40.63,87.75) v1(40.63,86.75) v1(40.73,53.45) v1(40.73,47.05) v1(40.73,20.75) v1(40.83,85) v1(40.83,34.85) v1(40.83,32.75) v1(40.83,30.65) v1(41.13,12.95) v1(41.33,50.95) v1(41.33,15.95) v1(41.53,24.15) v1(41.65,95.47) v1(41.6,76.92) v1(41.63,72.17) v1(41.63,49.15) v1(41.63,27.95) v1(41.83,61.65) v1(41.8,4.1) v1(41.93,21.95) v1(41.93,19.75) v1(42,68.17) v1(42.13,7.95) v1(42.33,17.55) v1(42.33,9.75) v1(42.45,87.37) v1(42.43,61.65) v1(42.53,36.85) v1(42.9,82.02) v1(42.93,14.15) v1(42.93,11.35) v1(43.03,97.35) v1(43.08,75.5) v1(43.03,61.65) v1(43.03,30.65) v1(43.13,85.1) v1(43.13,79.3) v1(43.18,68.07) v1(43.23,51.15) v1(43.23,40.95) v1(43.33,49.65) v1(43.33,49.05) v1(43.33,48.45) v1(43.33,47.85) v1(43.33,47.25) v1(43.33,43.85) v1(43.33,32.65) v1(43.63,61.65) v1(43.73,27.35) v1(43.73,24.55) v1(43.73,20.35) v1(43.95,94.3) v1(43.88,86.47) v1(43.9,76.52) v1(43.93,58.95) v1(43.93,53.35) v1(43.93,16.15) v1(44,91.97) v1(44,84.5) v1(44.03,37.95) v1(44.03,35.15) v1(44.15,74.3) v1(44.1,5.7) v1(44.23,61.65) v1(44.38,1) v1(44.83,36.65) v1(44.93,11.95) v1(44.93,7.95) v1(45.13,17.85) v1(45.23,32.65) v1(45.33,9.75) v1(45.43,22.55) v1(45.53,28.95) v1(45.55,3.35) v1(45.63,99.25) v1(45.83,51.45) v1(46.13,37.85) v1(46.13,35.05) v1(46.33,53.75) v1(46.33,19.75) v1(46.33,16.35) v1(46.33,13.75) v1(46.48,94.1) v1(46.45,92.05) v1(46.43,25.55) v1(46.83,7.95) v1(47.13,36.55) v1(47.33,56.25) v1(47.33,9.95) v1(47.43,58.85) v1(47.73,31.15) v1(47.93,17.85) v1(48.03,92) v1(48.13,51.95) v1(48.13,43.75) v1(48.13,14.55) v1(48.13,11.95) v1(48.23,35.45) v1(48.33,49.55) v1(48.33,48.95) v1(48.33,48.35) v1(48.33,47.75) v1(48.33,47.15) v1(48.33,37.95) v1(48.43,40.35) v1(48.53,54.75) v1(48.63,57.85) v1(48.63,45.65) v1(48.75,95.15) v1(48.73,22.65) v1(49.13,8.15) v1(49.25,79.27) v1(49.25,75.65) v1(49.38,90.95) v1(49.38,88.8) v1(49.3,82.37) v1(49.38,1) v1(49.4,85.62) v1(49.58,93.92) v1(49.53,57.05) v1(49.53,19.75) v1(49.53,16.35) v1(50.03,69.45) v1(50.13,49.15) v1(50.13,31.55) v1(50.13,11.95) v1(50.33,56.05) v1(50.33,53.35) v1(50.33,9.75) v1(50.43,67.75) v1(50.53,50.75) v1(50.63,99.25) v1(50.65,95.15) v1(50.63,25.95) v1(50.73,47.75) v1(50.83,71.15) v1(50.93,14.35) v1(51.08,92.55) v1(51.15,74.1) v1(51.13,2.95) v1(51.33,38.95) v1(51.33,5.95) v1(51.43,35.55) v1(51.43,17.85) v1(51.53,65.35) v1(51.53,22.75) v1(51.53,8.35) v1(51.75,85.4) v1(51.75,82.32) v1(51.78,87.87) v1(51.8,79.3) v1(51.8,76.67) v1(51.93,29.65) v1(52.03,52.55) v1(52.23,66.75) v1(52.23,21.25) v1(52.43,15.65) v1(52.58,70.35) v1(52.53,10.15) v1(52.73,12.35) v1(52.98,94.1) v1(53,72.55) v1(53.2,96.9) v1(53.23,61.65) v1(53.23,21.25) v1(53.33,16.35) v1(53.33,7.35) v1(53.73,35.45) v1(53.73,19.55) v1(53.83,41.75) v1(53.93,44.95) v1(53.93,39.05) v1(53.93,5.15) v1(54.08,82.37) v1(54.13,76.7) v1(54.13,60.95) v1(54.13,52.55) v1(54.13,28.95) v1(54.2,79.27) v1(54.23,66.75) v1(54.33,88.95) v1(54.28,85.37) v1(54.38,1) v1(54.43,74) v1(54.43,69.67) v1(54.53,26.15) v1(54.7,95.35) v1(54.73,62.15) v1(54.73,12.15) v1(54.83,49.85) v1(54.93,31.55) v1(54.93,21.85) v1(55.03,60.05) v1(55.03,47.55) v1(55.13,8.15) v1(55.33,10.15) v1(55.53,35.05) v1(55.53,25.95) v1(55.63,99.25) v1(55.83,93.95) v1(55.93,38.05) v1(55.93,11.25) v1(56.13,41.75) v1(56.23,12.15) v1(56.43,44.25) v1(56.53,86.95) v1(56.53,20.35) v1(56.53,19.45) v1(56.6,88.85) v1(56.7,95.4) v1(56.73,46.95) v1(56.73,13.85) v1(56.83,58.85) v1(56.93,93.35) v1(56.93,92.75) v1(56.93,92.15) v1(56.93,91.55) v1(56.93,90.95) v1(56.93,74.35) v1(56.93,49.75) v1(56.93,36.85) v1(57.03,39.85) v1(57.03,17.05) v1(57.13,84.55) v1(57.13,80.35) v1(57.13,76.55) v1(57.13,69.55) v1(57.13,67.55) v1(57.13,65.35) v1(57.13,2.95) v1(57.33,71.35) v1(57.33,25.35) v1(57.33,22.45) v1(57.33,7.35) v1(57.43,16.35) v1(57.63,29.45) v1(57.73,32.75) v1(57.73,5.35) v1(58.05,91) v1(58.03,23.25) v1(58.13,73.15) v1(58.3,93.35) v1(58.33,18.15) v1(58.53,62.15) v1(58.73,82.55) v1(58.73,78.35) v1(58.73,20.35) v1(58.83,14.75) v1(58.98,95.35) v1(58.93,88.75) v1(58.93,86.95) v1(58.93,16.55) v1(59.03,57.35) v1(59.38,1) v1(59.53,14.35) v1(59.73,74.35) v1(59.73,15.65) v1(59.83,29.85) v1(59.83,18.05) v1(59.93,28.85) v1(59.93,24.65) v1(60.08,92.52) v1(60.03,11.05) v1(60.53,84.55) v1(60.53,80.55) v1(60.53,76.55) v1(60.63,99.25) v1(60.65,87.92) v1(60.83,27.25) v1(60.83,8.45) v1(60.93,25.25) v1(60.93,9.55) v1(60.93,7.35) v1(61.13,15.15) v1(61.23,13.25) v1(61.33,73.15) v1(61.53,71.35) v1(61.53,23.75) v1(61.65,93.7) v1(61.7,91.07) v1(61.73,57.15) v1(61.73,54.35) v1(61.88,96) v1(61.93,8.05) v1(61.93,5.35) v1(62.13,60.35) v1(62.33,88.75) v1(62.33,86.95) v1(62.33,67.55) v1(62.33,65.35) v1(62.33,13.35) v1(62.33,2.95) v1(62.53,69.55) v1(62.73,74.35) v1(62.73,49.75) v1(62.73,47.95) v1(62.73,46.15) v1(62.73,40.55) v1(62.73,36.95) v1(62.83,44.55) v1(62.83,43.95) v1(62.83,43.35) v1(62.83,42.75) v1(62.83,42.15) v1(63.13,79.15) v1(63.23,19.55) v1(63.38,93.75) v1(63.38,92) v1(63.38,89.75) v1(63.33,76.95) v1(63.73,38.95) v1(63.88,96) v1(63.98,86.67) v1(63.93,73.15) v1(64.03,25.85) v1(64.03,25.15) v1(64.03,18.35) v1(64.13,56.15) v1(64.23,11.45) v1(64.38,93) v1(64.33,52.15) v1(64.33,36.55) v1(64.33,20.35) v1(64.33,7.35) v1(64.38,1) v1(64.53,29.75) v1(64.53,28.95) v1(64.53,13.65) v1(64.63,17.75) v1(64.73,86.35) v1(64.73,49.75) v1(64.93,71.35) v1(64.93,34.75) v1(65.13,74.35) v1(65.23,47.35) v1(65.23,27.05) v1(65.33,89.8) v1(65.33,61.95) v1(65.33,58.55) v1(65.33,13.85) v1(65.43,48.15) v1(65.53,81.35) v1(65.53,78.35) v1(65.53,54.75) v1(65.63,99.25) v1(65.63,46.35) v1(65.63,31.45) v1(65.73,10.15) v1(65.73,5.35) v1(65.93,44.05) v1(65.93,42.55) v1(65.93,41.05) v1(65.93,24.25) v1(66.03,39.55) v1(66.03,38.05) v1(66.13,76.75) v1(66.13,36.55) v1(66.13,21.65) v1(66.13,14.95) v1(66.23,17.15) v1(66.38,93.5) v1(66.38,88.75) v1(66.33,19.45) v1(66.33,9.15) v1(66.53,73.15) v1(66.63,96) v1(66.63,91.25) v1(66.63,23.75) v1(67.13,47.35) v1(67.33,83.55) v1(67.33,78.55) v1(67.33,69.55) v1(67.33,67.55) v1(67.33,65.35) v1(67.33,34.75) v1(67.33,15.25) v1(67.33,9.45) v1(67.43,38.05) v1(67.53,42.65) v1(67.53,39.55) v1(67.53,7.35) v1(67.83,16.15) v1(68.03,22.15) v1(68.13,74.35) v1(68.13,13.35) v1(68.33,86.55) v1(68.33,80.75) v1(68.33,77.35) v1(68.33,36.55) v1(68.43,45.85) v1(68.53,71.35) v1(68.53,21.35) v1(68.63,88.5) v1(68.63,24.65) v1(68.63,19.45) v1(68.63,18.15) v1(68.73,28.65) v1(68.93,39.55) v1(68.93,38.05) v1(68.93,8.95) v1(69.13,96) v1(69.13,56.15) v1(69.23,26.65) v1(69.38,91) v1(69.33,63.55) v1(69.33,58.95) v1(69.38,1) v1(69.53,84.55) v1(69.63,45.45) v1(69.73,82.75) v1(69.73,73.15) v1(69.73,49.15) v1(69.73,27.35) v1(69.73,5.35) v1(69.88,93.5) v1(69.93,54.75) v1(69.93,39.05) v1(69.93,38.05) v1(70.13,12.95) v1(70.23,31.35) v1(70.33,16.75) v1(70.53,79.15) v1(70.53,20.95) v1(70.63,99.25) v1(70.93,74.35) v1(71.03,12.35) v1(71.13,97) v1(71.13,61.35) v1(71.13,45.75) v1(71.33,80.95) v1(71.33,69.55) v1(71.33,67.55) v1(71.53,7.35) v1(71.63,94.5) v1(71.63,91) v1(71.63,88.5) v1(71.62,53.85) v1(71.62,53.25) v1(71.62,52.65) v1(71.63,52.05) v1(71.62,51.45) v1(71.62,50.85) v1(71.62,50.25) v1(71.62,49.65) v1(71.73,56.15) v1(71.73,38.95) v1(71.73,9.65) v1(71.93,82.95) v1(71.93,45.15) v1(71.93,22.35) v1(71.93,3.15) v1(72.03,13.35) v1(72.13,71.35) v1(72.13,33.55) v1(72.23,17.55) v1(72.33,27.35) v1(72.53,24.45) v1(72.83,74.55) v1(72.83,73.15) v1(72.83,22.75) v1(72.93,54.95) v1(73.33,64.35) v1(73.33,30.45) v1(73.33,17.65) v1(73.43,49.65) v1(73.63,47.75) v1(73.63,18.65) v1(73.63,15.75) v1(73.73,77.15) v1(73.73,58.95) v1(73.73,46.95) v1(73.73,39.55) v1(73.93,5.95) v1(74.13,97) v1(74.13,80) v1(74.13,74.55) v1(74.13,8.55) v1(74.23,73.15) v1(74.33,56.15) v1(74.33,11.85) v1(74.38,1) v1(74.43,47.75) v1(74.53,41.15) v1(74.63,44.85) v1(74.73,49.65) v1(74.73,48.75) v1(74.73,46.35) v1(74.88,94.75) v1(74.93,71.15) v1(74.93,33.55) v1(75.13,39.15) v1(75.23,26.35) v1(75.33,88.65) v1(75.33,22.95) v1(75.53,61.35) v1(75.53,55.04) v1(75.63,99.25) v1(75.63,90.15) v1(75.63,19.55) v1(75.73,69.55) v1(75.73,51.84) v1(75.93,67.55) v1(76.03,31.45) v1(76.13,55.05) v1(76.13,46.25) v1(76.23,86.85) v1(76.23,84.75) v1(76.33,92.55) v1(76.33,79.95) v1(76.33,51.85) v1(76.53,88.75) v1(76.63,15.25) v1(76.73,55.05) v1(76.73,33.55) v1(76.73,11.55) v1(76.93,93.25) v1(76.93,79.95) v1(76.88,77.5) v1(76.93,51.85) v1(76.93,39.15) v1(77.33,55.05) v1(77.33,40.55) v1(77.43,38.55) v1(77.53,79.95) v1(77.53,51.85) v1(77.63,94.55) v1(77.83,73.55) v1(77.88,97) v1(77.93,87.85) v1(77.93,86.55) v1(77.93,85.35) v1(77.93,84.25) v1(77.93,83.31) v1(77.93,82.45) v1(77.93,81.55) v1(77.93,80.65) v1(77.93,55.04) v1(77.93,44.95) v1(77.93,40.95) v1(78.13,70.95) v1(78.13,58.95) v1(78.13,51.84) v1(78.23,25.05) v1(78.33,9.55) v1(78.53,55.04) v1(78.63,94.65) v1(78.73,51.84) v1(78.73,21.35) v1(78.88,77.5) v1(79.03,28.85) v1(79.13,65.55) v1(79.13,61.95) v1(79.13,55.04) v1(79.13,45.95) v1(79.13,33.55) v1(79.23,17.95) v1(79.33,56.15) v1(79.33,51.84) v1(79.33,42.15) v1(79.38,1) v1(79.53,68.15) v1(79.53,14.55) v1(79.63,39.95) v1(79.73,55.04) v1(79.93,51.84) v1(80.33,89.25) v1(80.33,74.35) v1(80.53,71.75) v1(80.63,99.25) v1(80.63,46.55) v1(80.73,47.95) v1(80.73,12.35) v1(80.83,88.45) v1(80.88,97) v1(80.93,92.75) v1(81.13,94.75) v1(81.13,80.25) v1(81.13,31.35) v1(81.33,91.35) v1(81.33,90.55) v1(81.33,66.55) v1(81.33,63.15) v1(81.33,40.45) v1(81.33,33.55) v1(81.38,38.95) v1(81.73,72.95) v1(81.73,28.25) v1(81.88,76) v1(81.93,4.75) v1(82.13,70.55) v1(82.13,68.15) v1(82.13,57.15) v1(82.23,23.65) v1(82.23,20.55) v1(82.33,65.55) v1(82.33,60.95) v1(82.33,47.95) v1(82.33,46.45) v1(82.53,17.55) v1(82.93,50.75) v1(82.93,9.55) v1(83.13,94.75) v1(83.13,83.75) v1(83.13,80) v1(83.13,74.5) v1(83.33,40.35) v1(83.63,77.75) v1(83.73,15.35) v1(83.83,90.95) v1(83.83,90.05) v1(83.88,93.25) v1(83.88,87.5) v1(84.13,97) v1(84.13,72.25) v1(84.13,36.95) v1(84.13,33.55) v1(84.33,42.15) v1(84.38,1) v1(85.13,82.25) v1(85.13,40.55) v1(85.13,30.15) v1(85.13,25.55) v1(85.13,21.15) v1(85.38,79.5) v1(85.33,43.35) v1(85.63,99.25) v1(85.63,76.5) v1(86.38,93.75) v1(86.38,90.75) v1(86.38,87.25) v1(86.73,12.15) v1(86.93,18.55) v1(86.93,4.55) v1(87.13,81.25) v1(87.13,48.15) v1(87.13,44.35) v1(87.13,36.95) v1(87.13,23.55) v1(87.38,83.75) v1(87.33,40.15) v1(87.33,31.95) v1(87.33,27.75) v1(88.38,79.5) v1(88.73,50.35) v1(88.93,8.55) v1(89.13,89) v1(89.38,83.25) v1(89.38,1) v1(89.53,46.35) v1(90.13,22.35) v1(90.13,15.75) v1(90.38,96) v1(90.38,92) v1(90.33,53.75) v1(90.33,28.35) v1(90.53,34.35) v1(90.63,99.25) v1(90.63,79.25) v1(90.63,72.5) v1(90.93,39.75) v1(91.13,70) v1(91.13,56.75) v1(91.63,68.05) v1(91.63,67.15) v1(91.63,60.95) v1(91.63,60.35) v1(91.93,59.75) v1(92.13,44.35) v1(92.43,68.15) v1(92.53,50.35) v1(92.53,47.75) v1(92.63,59.75) v1(92.73,12.15) v1(92.93,53.95) v1(93.33,68.05) v1(93.33,59.75) v1(93.83,67.15) v1(93.83,60.35) v1(94.38,1) v1(94.53,8.55) v1(94.93,16.35) v1(95.13,70.5) v1(95.13,33.95) v1(95.13,22.55) v1(95.33,28.55) v1(95.53,39.55) v1(95.63,99.25) v1(95.63,67.05) v1(95.73,67.85) v1(95.73,60.75) v1(95.73,59.95) v1(95.73,56.75) v1(95.73,53.95) v1(95.88,94.25) v1(95.88,89.5) v1(95.93,49.95) v1(95.93,44.75) v1(96.38,85.5) v1(96.38,81.75) v1(96.38,77.5) v1(96.38,73.5) v1(96.43,68.25) v1(96.53,59.85) v1(97.13,68.15) v1(97.43,59.85) v1(97.73,60.75) v1(99.38,99.25) v1(99.38,94.25) v1(99.38,89.25) v1(99.38,84.25) v1(99.38,79.25) v1(99.38,74.25) v1(99.38,69.25) v1(99.38,64.25) v1(99.38,59.25) v1(99.38,54.25) v1(99.38,49.25) v1(99.38,44.25) v1(99.38,39.25) v1(99.38,34.25) v1(99.38,29.25) v1(99.38,24.25) v1(99.38,19.25) v1(99.38,14.25) v1(99.38,9.25) v1(99.38,4.25) v1(99.38,1)
